# Altium PCB Heart-by-LED.PcbDoc (continued)
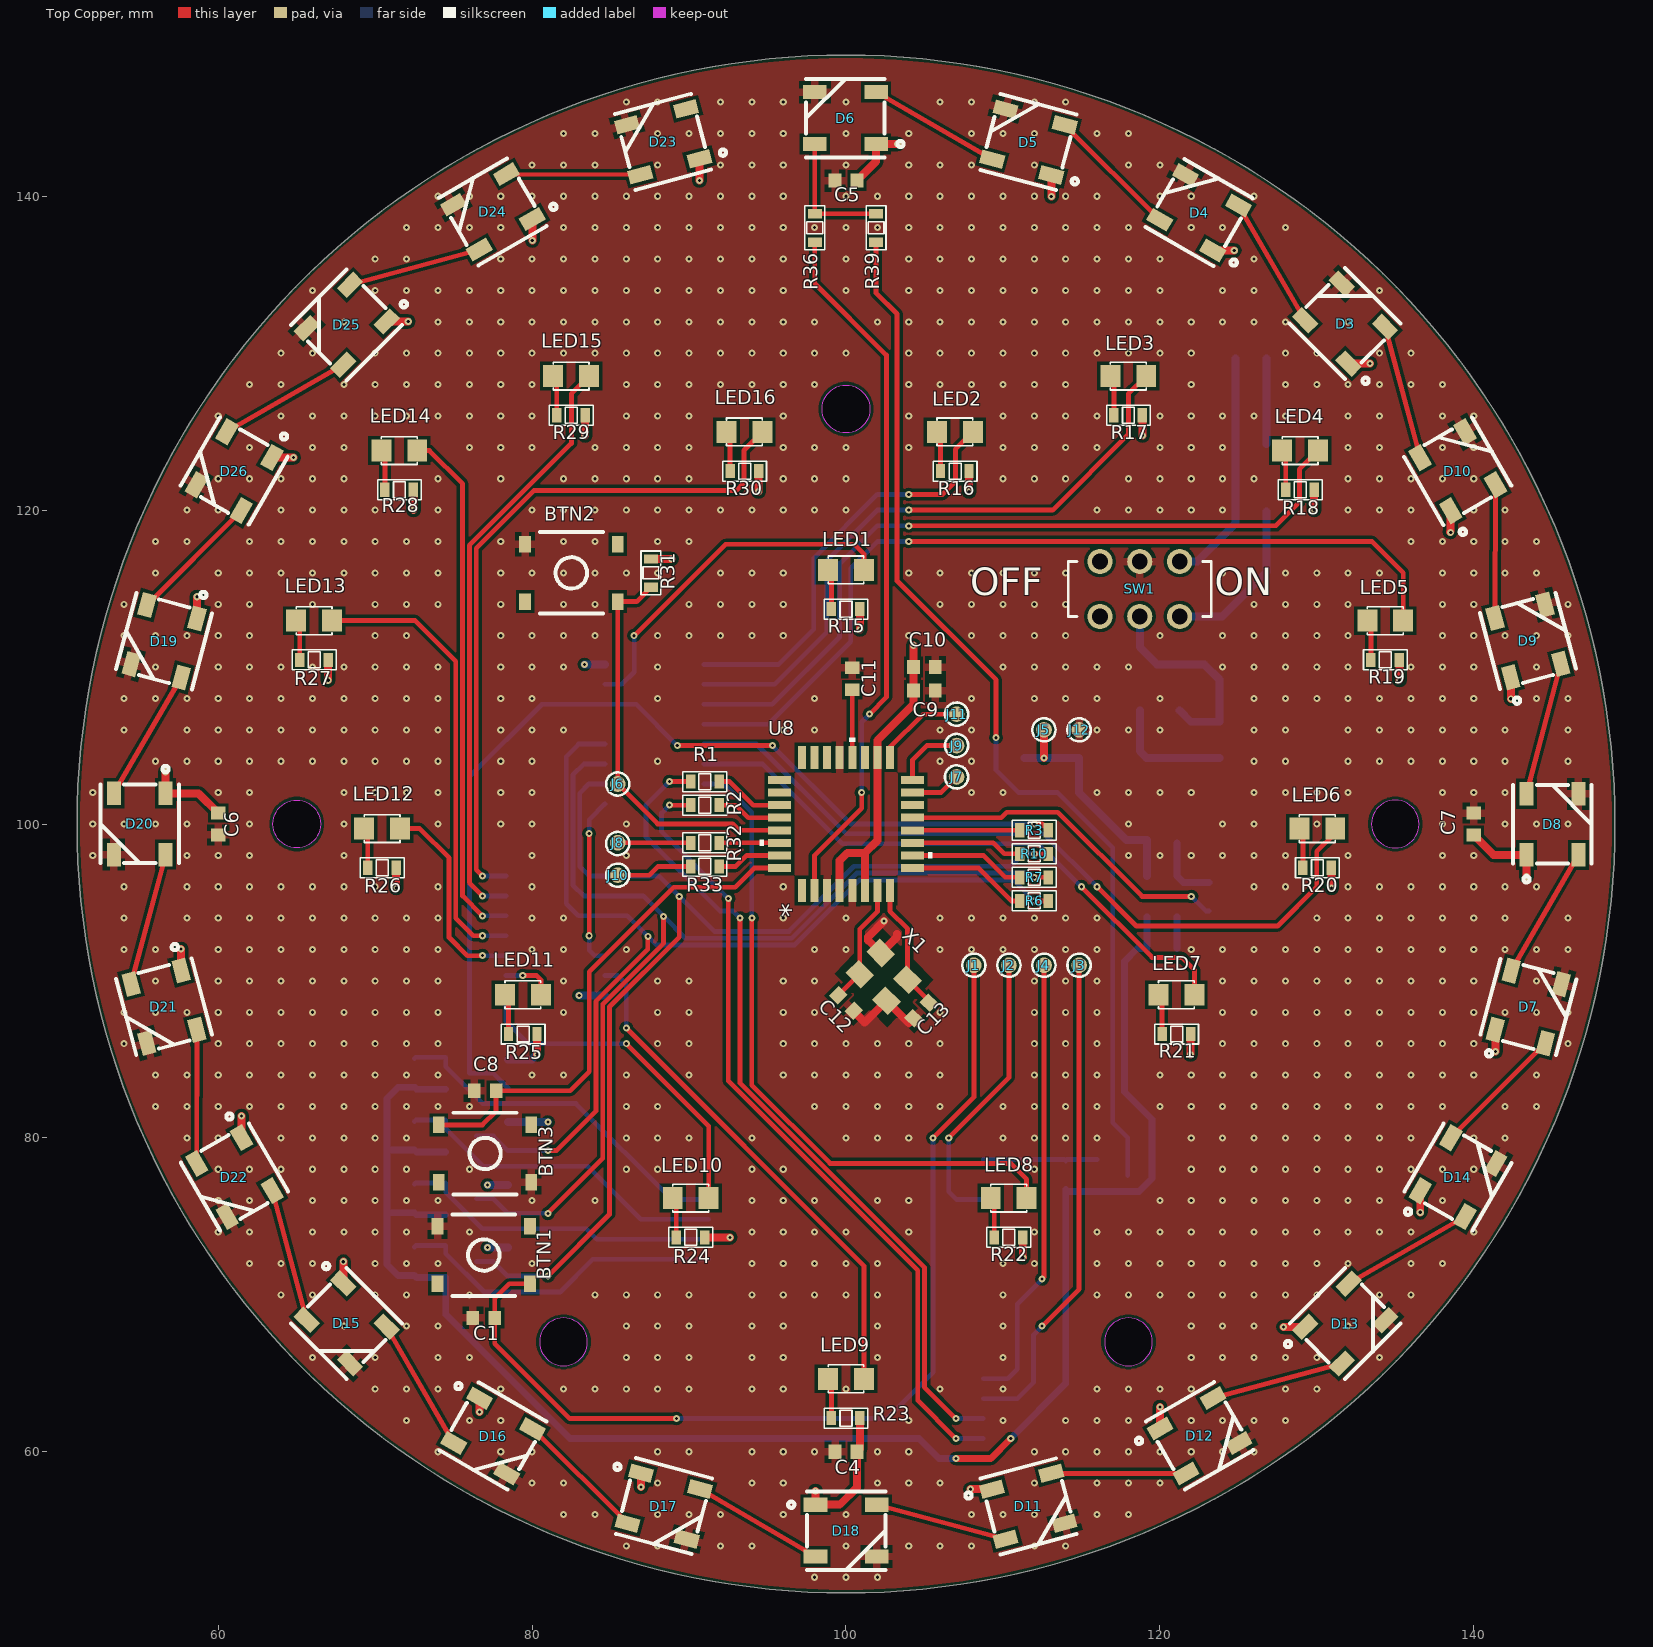
[diagram p0: Top Copper view]
## Components (designator, comment, footprint, x,y, rotation, side; value= is the part's Value field where it differs from the comment)
BTN1 "Button" TactileButton_4x4 76.921,72.53 r180 top
BTN2 "Button" TactileButton_4x4 82.5,116 r180 top
BTN3 "Button" TactileButton_4x4 77,79 r0 top
C1 "Cap Semi" 1608[0603] 76.921,68.53 r0 top value=100nF
C2 "Cap Semi" 1608[0603] 84.5,60.14 r90 bottom value=100nF
C3 "Cap Semi" 1608[0603] 86,60.14 r90 bottom value=1uF
C4 "Cap Semi" 1608[0603] 100,60 r180 top value=100nF
C5 "Cap Semi" 1608[0603] 100,141 r180 top value=100nF
C6 "Cap Semi" 1608[0603] 60,100 r270 top value=1uF
C7 "Cap Semi" 1608[0603] 140,100 r90 top value=1uF
C8 "Cap Semi" 1608[0603] 77,83 r0 top value=100nF
C9 "Cap Semi" 1608[0603] 105,108.5 r180 top value=100nF
C10 "Cap Semi" 1608[0603] 105,110 r180 top value=1uF
C11 "Cap Semi" 1608[0603] 100.4,109.25 r270 top value=100nF
C12 "Cap Semi" 1608[0603] 99.996,88.596 r135 top locked value=22pF
C13 "Cap Semi" 1608[0603] 104.796,88.109 r45 top locked value=22pF
C14 "Cap Semi" 1608[0603] 121.261,107.924 r270 bottom value=1uF
C15 "Cap Semi" 1608[0603] 118.721,107.924 r270 bottom value=100nF
C16 "Cap Semi" 1608[0603] 119.185,99.686 r270 bottom value=1uF
C17 "Cap Semi" 1608[0603] 121.085,91.36 r90 bottom value=22pF
C18 "Cap Semi" 1608[0603] 119.185,91.36 r90 bottom value=100nF
D1 "Diode Schottky" DO-214AC 126.808,122.068 r90 bottom value="SS54 SMA"
D2 "Diode Schottky" DO-214AC 117,104.216 r0 bottom value="SS54 SMA"
D3 "RGB LED" WS2812B 131.803,131.886 r135 top locked value=WS2812B
D4 "RGB LED" WS2812B 122.498,138.957 r150 top locked value=WS2812B
D5 "RGB LED" WS2812B 111.626,143.451 r165 top locked value=WS2812B
D6 "RGB LED" WS2812B 99.965,144.987 r180 top locked value=WS2812B
D7 "RGB LED" WS2812B 143.479,88.34 r75 top locked value=WS2812B
D8 "RGB LED" WS2812B 145.016,99.976 r90 top locked value=WS2812B
D9 "RGB LED" WS2812B 143.452,111.666 r105 top locked value=WS2812B
D10 "RGB LED" WS2812B 138.985,122.476 r120 top locked value=WS2812B
D11 "RGB LED" WS2812B 111.619,56.522 r15 top locked value=WS2812B
D12 "RGB LED" WS2812B 122.529,61.017 r30 top locked value=WS2812B
D13 "RGB LED" WS2812B 131.812,68.166 r45 top locked value=WS2812B
D14 "RGB LED" WS2812B 138.996,77.498 r60 top locked value=WS2812B
D15 "RGB LED" WS2812B 68.18,68.184 r315 top locked value=WS2812B
D16 "RGB LED" WS2812B 77.512,61.001 r330 top locked value=WS2812B
D17 "RGB LED" WS2812B 88.39,56.538 r345 top locked value=WS2812B
D18 "RGB LED" WS2812B 100.006,54.973 r0 top locked value=WS2812B
D19 "RGB LED" WS2812B 56.549,111.645 r255 top locked value=WS2812B
D20 "RGB LED" WS2812B 54.994,100.002 r270 top locked value=WS2812B
D21 "RGB LED" WS2812B 56.541,88.353 r285 top locked value=WS2812B
D22 "RGB LED" WS2812B 61.031,77.503 r300 top locked value=WS2812B
D23 "RGB LED" WS2812B 88.352,143.469 r195 top locked value=WS2812B
D24 "RGB LED" WS2812B 77.495,139.006 r210 top locked value=WS2812B
D25 "RGB LED" WS2812B 68.18,131.81 r225 top locked value=WS2812B
D26 "RGB LED" WS2812B 61.012,122.489 r240 top locked value=WS2812B
J1 "TestPin" TestPin_1mm#1 108.148,91 r90 top
J2 "TestPin" TestPin_1mm#1 110.382,91 r90 top
J3 "TestPin" TestPin_1mm#1 114.85,91 r90 top
J4 "TestPin" TestPin_1mm#1 112.616,91 r90 top
J5 "TestPin" TestPin_1mm#1 112.616,106 r90 top
J6 "TestPin" TestPin_1mm#1 85.45,102.55 r90 top
J7 "TestPin" TestPin_1mm#1 107.047,103 r90 top
J8 "TestPin" TestPin_1mm#2 85.45,98.754 r90 top
J9 "TestPin" TestPin_1mm#1 107.047,105 r0 top
J10 "TestPin" TestPin_1mm#1 85.45,96.74 r90 top
J11 "TestPin" TestPin_1mm#1 107.047,107 r0 top
J12 "TestPin" TestPin_1mm#1 114.85,106 r90 top
J13 "PH2.0 Female" "PH2.0 FEMALE" 125.808,132.534 r180 bottom locked
LED1 "LED" LED-0805-Red 98.857,116.191 r0 top locked value="LED 3 - 5 ly 2 Colour"
LED2 "LED" LED-0805-Red 105.798,124.984 r0 top locked value="LED 3 - 5 ly 2 Colour"
LED3 "LED" LED-0805-Red 116.847,128.545 r0 top locked value="LED 3 - 5 ly 2 Colour"
LED4 "LED" LED-0805-Red 127.79,123.798 r0 top locked value="LED 3 - 5 ly 2 Colour"
LED5 "LED" LED-0805-Red 133.221,112.959 r0 top locked value="LED 3 - 5 ly 2 Colour"
LED6 "LED" LED-0805-Red 128.889,99.711 r0 top locked value="LED 3 - 5 ly 2 Colour"
LED7 "LED" LED-0805-Red 119.914,89.117 r0 top locked value="LED 3 - 5 ly 2 Colour"
LED8 "LED" LED-0805-Red 109.222,76.162 r0 top locked value="LED 3 - 5 ly 2 Colour"
LED9 "LED" LED-0805-Red 98.857,64.643 r0 top locked value="LED 3 - 5 ly 2 Colour"
LED10 "LED" LED-0805-Red 88.962,76.162 r0 top locked value="LED 3 - 5 ly 2 Colour"
LED11 "LED" LED-0805-Red 78.27,89.117 r0 top locked value="LED 3 - 5 ly 2 Colour"
LED12 "LED" LED-0805-Red 69.295,99.711 r0 top locked value="LED 3 - 5 ly 2 Colour"
LED13 "LED" LED-0805-Red 64.963,112.959 r0 top locked value="LED 3 - 5 ly 2 Colour"
LED14 "LED" LED-0805-Red 70.394,123.798 r0 top locked value="LED 3 - 5 ly 2 Colour"
LED15 "LED" LED-0805-Red 81.337,128.545 r0 top locked value="LED 3 - 5 ly 2 Colour"
LED16 "LED" LED-0805-Red 92.386,124.984 r0 top locked value="LED 3 - 5 ly 2 Colour"
R1 "Res" RES-SMD-0603 91,102.7 r0 top value=0R
R2 "Res" RES-SMD-0603 91,101.2 r0 top value=0R
R3 "Res" RES-SMD-0603 112,99.6 r180 top value=0R
R4 "Res" RES-SMD-0603 78.457,84.116 r270 bottom locked value=10k
R5 "Res" RES-SMD-0603 72.501,84.116 r90 bottom locked value=10k
R6 "Res" RES-SMD-0603 112,95.1 r180 top value=0R
R7 "Res" RES-SMD-0603 112,96.6 r180 top value=0R
R8 "Res" RES-SMD-0603 78.457,80.116 r270 bottom locked value=10k
R9 "Res" RES-SMD-0603 72.501,80.116 r90 bottom locked value=10k
R10 "Res" RES-SMD-0603 112,98.1 r180 top value=0R
R11 "Res" RES-SMD-0603 78.457,76.116 r270 bottom locked value=10k
R12 "Res" RES-SMD-0603 72.501,76.116 r90 bottom locked value=10k
R13 "Res" RES-SMD-0603 78.457,72.116 r270 bottom locked value=10k
R14 "Res" RES-SMD-0603 72.501,72.116 r90 bottom locked value=10k
R15 "Res" RES-SMD-0603 100,113.691 r180 top locked value=10k
R16 "Res" RES-SMD-0603 106.95,122.484 r180 top locked value=10k
R17 "Res" RES-SMD-0603 118,126.045 r180 top locked value=10k
R18 "Res" RES-SMD-0603 128.943,121.298 r180 top locked value=10k
R19 "Res" RES-SMD-0603 134.373,110.459 r180 top locked value=10k
R20 "Res" RES-SMD-0603 130.042,97.211 r180 top locked value=10k
R21 "Res" RES-SMD-0603 121.067,86.617 r180 top locked value=10k
R22 "Res" RES-SMD-0603 110.375,73.662 r180 top locked value=10k
R23 "Res" RES-SMD-0603 100,62.143 r180 top locked value=10k
R24 "Res" RES-SMD-0603 90.115,73.662 r180 top locked value=10k
R25 "Res" RES-SMD-0603 79.423,86.617 r180 top locked value=10k
R26 "Res" RES-SMD-0603 70.447,97.211 r180 top locked value=10k
R27 "Res" RES-SMD-0603 66.116,110.459 r180 top locked value=10k
R28 "Res" RES-SMD-0603 71.547,121.298 r180 top locked value=10k
R29 "Res" RES-SMD-0603 82.489,126.045 r180 top locked value=10k
R30 "Res" RES-SMD-0603 93.538,122.484 r180 top locked value=10k
R31 "Res" RES-SMD-0603 87.57,116 r270 top value=10k
R32 "Res" RES-SMD-0603 91,98.8 r0 top value=1k
R33 "Res" RES-SMD-0603 91,97.3 r0 top value=1k
R34 "Res" RES-SMD-0603 123.149,95.384 r270 bottom value=0R
R35 "Res" RES-SMD-0603 121.085,99.686 r90 bottom value=100k
R36 "Res" RES-SMD-0603 98.015,138 r270 top value=0R
R37 "Res" RES-SMD-0603 110.487,104.216 r180 bottom value=10k
R38 "Res" RES-SMD-0603 114,77.604 r90 bottom value=10k
R39 "Res" RES-SMD-0603 101.915,138 r270 top value=0R
SW1 "Switch" MSS-22D18 118.721,114.975 r180 top
U1 "ESP32 Module" ESP32-WROVER-IB 100,71 r0 bottom locked value=ESP32-WROVER-IB
U2 "Shift Register" SO16 87.786,105.724 r270 bottom value=74HC595D
U3 "BSS138LT1G" SOT23-3_ONS 75.479,84.116 r90 bottom locked
U4 "BSS138LT1G" SOT23-3_ONS 75.479,80.116 r90 bottom locked
U5 "Shift Register" SO16 81.485,93.514 r90 bottom value=74HC595D
U6 "BSS138LT1G" SOT23-3_ONS 75.479,76.116 r90 bottom locked
U7 "BSS138LT1G" SOT23-3_ONS 75.479,72.116 r90 bottom locked
U8 "ATMEGA328P-AU" 32A_ATM 100,100 r90 top locked
U9 "lm1117mpx-5_0" LM1117 127,104.216 r0 bottom value=Value
U10 "LDO 3.3V" SOT-23-5 120.135,95.384 r0 bottom
U11 "BSS138LT1G" SOT23-3_ONS 116.978,77.604 r90 bottom locked
X1 "Crystal" SMD-3225-4P 102.4,90.259 r315 top locked value=16MHz

## Footprints (in the part's own frame and the unit in brackets; to place one, negate y for a bottom-side part, rotate by r counter-clockwise, add the part's x,y. Pads: shape width x height; smd on the part's side, far side on the other; paste and mask are expansions set on the pad)
32A_ATM [mil]
  rect 58x20 smd paste+0 mask+0: 1(-167,110.24) 2(-167,78.74) 3(-167,47.24) 4(-167,15.75) 5(-167,-15.75) 6(-167,-47.24) 7(-167,-78.74) 8(-167,-110.24) 17(167,-110.24) 18(167,-78.74) 19(167,-47.24) 20(167,-15.75) 21(167,15.75) 22(167,47.24) 23(167,78.74) 24(167,110.24)
  rect 20x58 smd paste+0 mask+0: 9(-110.24,-167) 10(-78.74,-167) 11(-47.24,-167) 12(-15.75,-167) 13(15.75,-167) 14(47.24,-167) 15(78.74,-167) 16(110.24,-167) 25(110.24,167) 26(78.74,167) 27(47.24,167) 28(15.75,167) 29(-15.75,167) 30(-47.24,167) 31(-78.74,167) 32(-110.24,167)
  silkscreen extent -86,-216 216,216, body extent -182,-182 182,182, height 47
1608[0603] [mm] "Chip Capacitor, Body 1.6x0.8mm, IPC High Density"
  rect 0.8x0.9 smd: 1(-0.7,0) 2(0.7,0)
  body extent -0.87,-0.48 0.87,0.48, height 1.3
DO-214AC [mm]
  rect 2.65x1.75 smd: 1(-2.15,0) 2(2.15,0)
  silkscreen extent -4.5,-1 -4.5,1, body extent -2.6,-1.3 2.6,1.3, height 2.4
ESP32-WROVER-IB [mm] "Multiprotocol Modules SMD Module M213DH3264UH3Q0, ESP32-D0WD, 64Mbits PSRAM, 4 MB SPI flash, IPEX Antenna connector"
  rect 1.5x0.9 smd: 1(-8.75,11.43) 2(-8.75,10.16) 3(-8.75,8.89) 4(-8.75,7.62) 5(-8.75,6.35) 6(-8.75,5.08) 7(-8.75,3.81) 8(-8.75,2.54) 9(-8.75,1.27) 10(-8.75,0) 11(-8.75,-1.27) 12(-8.75,-2.54) 13(-8.75,-3.81) 14(-8.75,-5.08) 15(-8.75,-6.35) 16(-8.75,-7.62) 17(-8.75,-8.89) 18(-8.75,-10.16) 19(-8.75,-11.43) 20(8.75,-11.43) 21(8.75,-10.16) 22(8.75,-8.89) 23(8.75,-7.62) 24(8.75,-6.35) 25(8.75,-5.08) 26(8.75,-3.81) 27(8.75,-2.54) 28(8.75,-1.27) 29(8.75,0) 30(8.75,1.27) 31(8.75,2.54) 32(8.75,3.81) 33(8.75,5.08) 34(8.75,6.35) 35(8.75,7.62) 36(8.75,8.89) 37(8.75,10.16) 38(8.75,11.43)
  rect 3.7x3.7 smd: 39(-1.5,3.63)
  silkscreen extent -9,-12.53 9,18.87
LED-0805-Red [mil]
  rect 50x55 smd: 1(0,0) 2(90,0)
  silkscreen extent 0,-35 90,35, body extent 5,-25 85,25, height 43
LM1117 [mil]
  rect 62.56x33.36 smd paste+0 mask+0: 1(-126,90.55) 2(-126,0) 3(-126,-90.55)
  rect 62.56x120.43 smd paste+0 mask+0: 4(126,0)
  silkscreen extent -78,-137 78,137, body extent -144,-132 144,132, height 71
MSS-22D18 [mm]
  round 1.6 hole 1: 1(-2.54,1.75) 2(0,1.75) 3(2.54,1.75) 4(-2.54,-1.75) 5(0,-1.75) 6(2.54,-1.75)
  silkscreen extent -4.55,-1.75 4.55,1.75
"PH2.0 FEMALE" [mm]
  rect 1x3.5 smd: 1(1,-2.876) 2(-1,-2.876)
  rect 1.8x3.6 smd: 3(-3.4,2.876) 4(3.4,2.876)
  silkscreen extent -4,-2.88 4,4.5
RES-SMD-0603 [mm]
  rect 0.6x0.9 smd: 1(-0.889,0) 2(0.927,0)
  silkscreen extent -1.4,-0.64 1.4,0.64, body extent -0.8,-0.4 0.8,0.4, height 0.43
SMD-3225-4P [mm]
  rect 1.4x1.2 smd: 1(-1.2,-0.95) 2(1.2,-0.95) 3(1.2,0.95) 4(-1.2,0.95)
  body extent -1.6,-1.25 1.6,1.25, height 0.81
SO16 [mm]
  rect 0.8x1.2 smd: 1(-4.445,-3.15) 2(-3.175,-3.15) 3(-1.905,-3.15) 4(-0.635,-3.15) 5(0.635,-3.15) 6(1.905,-3.15) 7(3.175,-3.15) 8(4.445,-3.15) 9(4.445,3.15) 10(3.175,3.15) 11(1.905,3.15) 12(0.635,3.15) 13(-0.635,3.15) 14(-1.905,3.15) 15(-3.175,3.15) 16(-4.445,3.15)
  silkscreen extent -5,-2 5,2, body extent -4.98,-3.07 4.98,3.07, height 1.73
SOT23-3_ONS [mil]
  rect 22x55 smd paste+0 mask+0: 1(-40,-38.5) 2(40,-38.5) 3(0,38.5)
  silkscreen extent -115,-57 65,33, body extent -60,-52 60,52, height 44
SOT-23-5 [mm]
  rect 0.7x1 smd: 1(-0.95,-1.3) 2(0,-1.3) 3(0.95,-1.3) 4(0.95,1.3) 5(-0.95,1.3)
  silkscreen extent -1.35,-0.5 1.35,0.5, body extent -1.5,-1.25 1.5,1.25, height 1.05
TactileButton_4x4 [mm] "Tactile Button 4mm x 4mm H=1.5mm SMD 4-Pin"
  rect 0.75x1.05 smd: 1(-2.95,1.825) 2(-2.95,-1.825) 3(2.95,-1.825) 4(2.95,1.825)
  silkscreen extent -2,-2.6 2,2.6
TestPin_1mm#1 [mm]
  round 1 smd: 1(0,0)
  silkscreen extent -0.74,-0.74 0.74,0.74
TestPin_1mm#2 [mm]
  round 1 smd: 1(0.046,0)
  silkscreen extent -0.74,-0.74 0.74,0.74
WS2812B [mm] "RGB 620~630nm Red, 515~530nm Green, 465~475nm Blue SMD,5x5mm Light Emitting Diodes (LED) ROHS"
  rect 1.5x0.9 smd: 1(-1.95,1.65) 2(-1.95,-1.65) 3(1.95,-1.65) 4(1.95,1.65)
  silkscreen extent -3.7,-2.5 2.5,2.5

## Part data
BTN1 BTN2 BTN3: library part Tactile_4x4
C1 C2 C3 C4 C5 C6 C7 C8 C9 C10 C11 C12 C13 C14 C15 C16 C17 C18: "Capacitor (Semiconductor SIM Model)", LatestRevisionDate=29-May-2009, LatestRevisionNote="IPC-7351 Footprint Added.", PackageDescription="Chip Capacitor", PackageReference=C1206, Published=8-Jun-2000, Publisher="Altium Limited"
D1 D2: library part "SS54 SMA", "Diode Shotky SS54 5A 40V"
D3 D4 D5 D6 D7 D8 D9 D10 D11 D12 D13 D14 D15 D16 D17 D18 D19 D20 D21 D22 D23 D24 D25 D26: library part WS2812B, "RGB 620~630nm Red, 515~530nm Green, 465~475nm Blue SMD,5x5mm Light Emitting Diodes (LED) ROHS", Manufacturer=Worldsemi
J1 J2 J3 J4 J5 J6 J7 J8 J9 J10 J11 J12: library part TestPin_1mm, "Test conntact for pogo pins"
J13: library part PH2.0, "2 Header PH 0.079\"(2.00mm) Male Pin SMD,P=2mm Wire To Board / Wire To Wire Connector ROHS"
LED1 LED2 LED3 LED4 LED5 LED6 LED7 LED8 LED9 LED10 LED11 LED12 LED13 LED14 LED15 LED16: library part "LED SMD"
R1 R2 R3 R4 R5 R6 R7 R8 R9 R10 R11 R12 R13 R14 R15 R16 R17 R18 R19 R20 R21 R22 R23 R24 R25 R26 R27 R28 R29 R30 R31 R32 R33 R34 R35 R36 R37 R38 R39: library part Res-SMD, "Resistor", Manufacturer="Generic Components", Class=Passive, Published=08/06/2000, Publisher="Altium Hobart Technology Centre"
SW1: library part MSS-22D18, "Plugin,9.1x3.5mm Slide Switches ROHS"
U1: library part ESP32-WROVER-IB, "Multiprotocol Modules SMD Module M213DH3264UH3Q0, ESP32-D0WD, 64Mbits PSRAM, 4 MB SPI flash, IPEX Antenna connector", Manufacturer="Espressif Systems"
U2 U5: library part 74HC595, "74HC Shift Register SOIC-16_150mil Registers ROHS"
U3 U4 U6 U7 U8 U9 U11: "No Description Available", Copyright="Copyright (C) 2018 Accelerated Designs. All rights reserved", RefDes=RefDes, Type=DEV
  U3 U4 U6 U7 U11: Built_By=EMA_Jessica, Manufacturer_Part_Number=BSS138LT1G, SourceLibrary=ON_Semiconductor_2019-12-30, Vendor="ON Semiconductor"
  U8: Built_By=EMA_UL_Team, Manufacturer_Part_Number=ATMEGA328P-AU, SourceLibrary=Atmel_2011-04-02, Vendor=Atmel
  U9: Built_By=EMA_UL_Team, Manufacturer_Part_Number=lm1117mpx-5_0, Vendor="Texas Instruments"
U10: library part RT9193-33GB, "300mA Fixed 3.3V SOT-23-5 Linear Voltage Regulators (LDO) ROHS"
X1: library part "Crystal 3225", "16MHz ±25ppm SMD3225-4P Oscillators ROHS"

## Via types
v1: diameter 0.45, hole 0.2, Top Copper to Bottom Copper, tented both sides, 1218 vias

## Nets (pads, with @x,y where several pads share a name; then routed paths per layer and width w, separated by ;. In a path a pad name is that pad's centre, name@x,y a point inside that pad or via, vN(x,y) a via of type N, cw(c..) or ccw(c..) an arc to the next point about the centre after c; other vN are vias at no path point)
+3.3: C2.2 C3.2 C18.2 R5.1 R9.1 R12.1 R14.1 R38.1 U1.2 U3.1 U4.1 U6.1 U7.1 U10.5 U11.1 | length 110.6
  Top Copper w0.432: v1(107,59.57) 109.23,59.57 v1(110.5,60.84)
  Bottom Copper w0.432: U6.1 72.628,75.1 R12.1 70.773,75.227 70.75,75.25 ; U4.1 72.628,79.1 R9.1 70.773,79.227 70.75,79.25 ; U3.1 72.628,83.1 R5.1 71.477,83.227 70.75,82.5 70.75,79.25 ; v1(107,59.57) 105.93,59.57 104.66,60.84 U1.2 C3.2 C2.2 82.41,60.84 74.501,68.749 U7.1 72.628,71.1 R14.1 71.463,71.227 70.75,71.94 70.75,75.25 ; v1(110.5,60.84) 114,64.34 R38.1 114.127,76.588 U11.1 118.669,76.588 119.5,77.419 119.5,81.187 117.75,82.937 117.75,91.25 118.56,92.06 C18.2 U10.5 ; 70.75,75.25 70.75,79.25
+5: C4.1 C5.1 C6.1 C7.1 C9.2 C10.2 C16.2 D2.1 D3.1 D4.1 D5.1 D6.1 D7.1 D8.1 D9.1 D10.1 D11.1 D12.1 D13.1 D14.1 D15.1 D16.1 D17.1 D18.1 D19.1 D20.1 D21.1 D22.1 D23.1 D24.1 D25.1 D26.1 J5.1 R4.1 R8.1 R11.1 R13.1 R15.1 R16.1 R17.1 R18.1 R19.1 R20.1 R21.1 R22.1 R23.1 R24.1 R25.1 R26.1 R27.1 R28.1 R29.1 R30.1 R31.1 R37.1 U2.16 U5.16 U8.4 U8.6 U8.18 U10.1 | length 116.9
  Top Copper w0.508: D20.1 58.748,101.952 C6.1 ; D20.1 v1(56.643,103.33) ; D21.1 v1(57.63,92.041) ; D19.1 v1(58.648,114.479) ; D22.1 v1(61.485,81.395) ; D26.1 v1(64.794,123.353) ; v1(67.005,109.161) R27.1 ; D15.1 v1(67.968,72.108) ; D25.1 v1(72.104,132.022) ; v1(71.337,95.913) R26.1 ; v1(72.436,120) R28.1 ; v1@76.648,62.528 D16.1 ; v1(80.009,137.175) D24.1 ; v1(80.312,85.319) R25.1 ; v1(83.379,124.747) R29.1 ; v1(86.934,57.759) D17.1 ; R31.1 v1@88.868,116.889 ; v1(90.662,141.002) D23.1 ; R24.1 v1(92.612,73.662) ; v1(94.428,121.186) R30.1 ; v1(98.056,57.5) D18.1 99.6,56.623 100.7,57.723 C4.1 100.889,60.189 R23.1 ; U8.4 99.6,97.672 100.085,98.157 101.2,98.157 ; C5.1 101.915,142.215 D6.1 v1(103.293,143.337) ; v1(100.889,112.393) R15.1 ; U8.6 101.2,98.157 ; v1(104.3,111.378) C10.2 C9.2 104.3,107.634 102,105.334 U8.18 102,98.957 101.2,98.157 ; v1(107.84,121.186) R16.1 ; v1(107.93,57.611) D11.1@109.308,57.611 ; v1(111.264,72.364) R22.1 ; v1(112.616,104.216) J5.1 ; v1(113.083,139.975) D5.1 ; v1(118.889,124.747) R17.1 ; D12.1 v1(120.015,62.849) ; v1(121.956,85.319) R21.1 ; D4.1 v1(124.74,136.554) ; v1(127.889,67.953) D13.1 ; v1(129.832,120) R18.1 ; v1(130.931,95.913) R20.1 ; D3.1 v1(133.393,129.34) ; v1(135.263,109.161) R19.1 ; v1(136.593,75.256) D14.1 ; v1@138.496,118.62 138.532,118.656 D10.1 ; C7.1 141.274,98.026 D8.1 v1(143.366,96.648) ; v1@141.381,85.506 D7.1 ; v1(142.363,107.977) D9.1
  Bottom Copper w0.508: v1(77.159,73.005) R13.1@78.457,73.005 ; v1(77.159,77.005) R11.1@78.457,77.005 ; R8.1 v1(81,81.006) ; R4.1 79.999,85.006 v1(80.312,85.319) ; v1(83,89.069) U5.16@84.635,89.069 ; v1(83.338,110.168) U2.16@84.636,110.168 ; R37.1 v1(112.616,104.216) D2.1 114.85,101.997 117.861,98.986 C16.2 U10.1
  other v1: 76.648,62.528 141.381,85.505 88.868,116.889 138.532,118.585
AD0: U8.23
AD1: U8.24
AD2: U8.25
AD3: U8.26
AD4: R1.2 U8.27 | length 4.5
  Top Copper w0.305: R1.2 92.592,102.7 94.092,101.2 U8.27
AD5: R2.2 U8.28 | length 4.2
  Top Copper w0.305: R2.2 92.978,101.2 93.778,100.4 U8.28
AD6: U8.19
AD7: U8.22
ESP_BOOT: J2.1 U1.25 | length 18.3
  Top Copper w0.305: v1(106.547,80) 110.382,83.835 J2.1@110.382,90.918
  Bottom Copper w0.305: v1(106.547,80) 106.547,76.569 107.036,76.08 U1.25
ESP_EN: BTN1.1 C1.2 J1.1 U1.3 | length 63.7
  Top Copper w0.305: BTN1.1@79.89,70.686 BTN1.1 78.538,70.705 77.621,69.788 C1.2 77.621,66.879 82.39,62.11 v1(89.188,62.11) ; v1(105.547,80) 108.148,82.601 J1.1
  Bottom Copper w0.305: v1(89.188,62.11) U1.3 102.582,62.11 105.547,65.075 v1(105.547,80)
ESP_IO12: R5.2 U1.14 U3.2 | length 22.9
  Bottom Copper w0.305: R5.2 72.59,85.132 U3.2 74.501,84.534 76.848,82.187 82.79,82.187 88.897,76.08 U1.14
ESP_IO14: R9.2 U1.13 U4.2 | length 21.7
  Bottom Copper w0.305: R9.2 72.59,81.132 U4.2 74.501,80.584 76.896,78.189 83.537,78.189 86.916,74.81 U1.13
ESP_IO15: R38.2 U1.23 U11.2 | length 7.3
  Bottom Copper w0.305: U1.23 113.911,78.62 R38.2 114.089,78.62 U11.2
ESP_IO22: R1.1 U1.36 | length 53
  Top Copper w0.305: v1(88.75,102.7) R1.1 ; v1(93.25,94) 93.25,83.491 105,71.741 105,64.11 v1(107,62.11)
  Bottom Copper w0.305: v1(88.75,102.7) 87.25,101.2 87.25,99.176 91.969,94.457 92.793,94.457 v1(93.25,94) ; v1(107,62.11) U1.36
ESP_IO23: R2.1 U1.37 | length 51.4
  Top Copper w0.305: v1(88.75,101.2) R2.1 ; v1(92.5,95.25) 92.5,83.631 104.568,71.563 104.568,63.272 v1(107,60.84)
  Bottom Copper w0.305: v1(88.75,101.2) 88.25,100.7 88.25,99.5 v1(92.5,95.25) ; v1(107,60.84) U1.37
ESP_IO26: R14.2 U1.11 U7.2 | length 21.2
  Bottom Copper w0.305: R14.2 72.59,73.132 U7.2 74.501,72.621 76.944,70.178 81.78,70.178 83.872,72.27 U1.11
ESP_IO27: R12.2 U1.12 U6.2 | length 20.6
  Bottom Copper w0.305: R12.2 72.59,77.132 U6.2 74.501,76.538 76.832,74.207 83.459,74.207 84.126,73.54 U1.12
ESP_LED_CTRL: R37.2 R39.2 U11.3 | length 67.6
  Top Copper w0.305: R39.2 101.915,133.835 103.25,132.5 103.25,115.492 109.56,109.182 v1(109.56,105.5)
  Bottom Copper w0.305: v1(109.56,105.5) R37.2 109.56,103.44 111,102 113.5,102 117,98.5 117,80.978 117.956,80.022 U11.3
ESP_RXD: J4.1 U1.34 | length 28.9
  Top Copper w0.305: v1(112.5,71) 112.616,71.116 J4.1
  Bottom Copper w0.305: U1.34 110.301,64.65 110.912,65.261 110.912,69.412 v1(112.5,71)
ESP_TXD: J3.1 U1.35 | length 31.4
  Top Copper w0.305: v1(112.5,68) 114.85,70.35 J3.1
  Bottom Copper w0.305: U1.35 110.908,63.38 111.954,64.426 111.954,67.454 v1(112.5,68)
GND: BTN1.3 BTN2.3 BTN3.3 C1.1 C2.1 C3.1 C4.2 C5.2 C6.2 C7.2 C8.1 C9.1 C10.1 C11.1 C12.1 C13.1 C14.1 C15.1 C16.1 C17.1 C18.1 D3.3 D4.3 D5.3 D6.3 D7.3 D8.3 D9.3 D10.3 D11.3 D12.3 D13.3 D14.3 D15.3 D16.3 D17.3 D18.3 D19.3 D20.3 D21.3 D22.3 D23.3 D24.3 D25.3 D26.3 J12.1 J13.3 J13.4 R35.2 SW1.5 U1.1 U1.15 U1.38 U1.39 U2.8 U2.13 U5.8 U5.13 U8.3 U8.5 U8.21 U9.1 U9.4 U10.2 X1.2 X1.4 | length 9.9
  Top Copper w0.508: C12.1 100.491,88.057 101.194,87.355 X1.2 104.001,87.314 C13.1 ; v1(102.428,93.817) 101.413,92.802 101.413,92.589 X1.4 103.251,92.807 103.251,92.993
  other v1: 98,52 100,52 102,52 86,54 88,54 92,54 94,54 100,54 104,54 106,54 108,54 112,54 114,54 82,56 84,56 88,56 90,56 92,56 96,56 100,56 108,56 110,56 112,56 116,56 118,56 80,58 82,58 88,58 94,58 96,58 102,58 104,58 106,58 112,58 116,58 118,58 120,58 74,60 78,60 80,60 88,60 90,60 94,60 96,60 98,60 102,60 104,60 112,60 114,60 116,60 118,60 120,60 122,60 124,60 126,60 72,62 76,62 78,62 104,62 110,62 114,62 116,62 118,62 122,62 124,62 126,62 128,62 70,64 72,64 74,64 78,64 82,64 84,64 86,64 88,64 90,64 94,64 96,64 100,64 106,64 110,64 116,64 118,64 120,64 122,64 128,64 130,64 66,66 70,66 74,66 76,66 86,66 88,66 90,66 94,66 96,66 102,66 110,66 122,66 124,66 126,66 128,66 130,66 134,66 68,68 72,68 74,68 86,68 88,68 90,68 94,68 96,68 102,68 110,68 122,68 124,68 126,68 132,68 64,70 66,70 70,70 72,70 76,70 84,70 86,70 88,70 90,70 94,70 96,70 98,70 100,70 102,70 110,70 116,70 118,70 120,70 122,70 124,70 126,70 128,70 130,70 134,70 136,70 62,72 64,72 66,72 70,72 72,72 74,72 80,72 94,72 96,72 98,72 100,72 102,72 110,72 112,72 116,72 118,72 120,72 122,72 124,72 126,72 128,72 130,72 132,72 136,72 138,72 60,74 62,74 66,74 68,74 70,74 72,74 76,74 94,74 96,74 98,74 100,74 104,74 112,74 116,74 118,74 120,74 122,74 124,74 126,74 128,74 130,74 132,74 134,74 136,74 140,74 60,76 62,76 66,76 68,76 70,76 72,76 74,76 80,76 84,76 94,76 96,76 98,76 102,76 104,76 120,76 122,76 124,76 126,76 128,76 130,76 132,76 134,76 138,76 60,78 62,78 64,78 66,78 68,78 70,78 72,78 76,78 86,78 88,78 90,78 94,78 96,78 112,78 122,78 124,78 126,78 128,78 130,78 132,78 134,78 136,78 138,78 140,78 58,80 60,80 64,80 66,80 68,80 70,80 72,80 86,80 88,80 90,80 94,80 100,80 102,80 104,80 110,80 112,80 114,80 116,80 122,80 124,80 126,80 128,80 130,80 132,80 134,80 136,80 140,80 142,80 56,82 58,82 60,82 62,82 64,82 66,82 68,82 70,82 72,82 74,82 76,82 86,82 88,82 98,82 100,82 102,82 104,82 106,82 110,82 112,82 114,82 116,82 120,82 122,82 124,82 126,82 128,82 130,82 132,82 134,82 136,82 138,82 142,82 144,82 56,84 58,84 60,84 62,84 64,84 66,84 68,84 70,84 72,84 74,84 80,84 82,84 86,84 90,84 96,84 98,84 100,84 102,84 104,84 106,84 112,84 114,84 116,84 120,84 122,84 124,84 126,84 128,84 130,84 132,84 134,84 136,84 138,84 140,84 144,84 54,86 60,86 62,86 64,86 66,86 68,86 70,86 72,86 74,86 88,86 90,86 96,86 98,86 100,86 102,86 104,86 106,86 112,86 114,86 116,86 124,86 126,86 128,86 130,86 132,86 134,86 136,86 138,86 140,86 146,86 54,88 56,88 58,88 60,88 62,88 64,88 66,88 68,88 70,88 72,88 74,88 82,88 88,88 90,88 96,88 98,88 106,88 112,88 114,88 116,88 124,88 126,88 128,88 130,88 132,88 134,88 136,88 138,88 140,88 142,88 144,88 146,88 56,90 60,90 62,90 64,90 66,90 68,90 70,90 72,90 74,90 82,90 88,90 90,90 96,90 98,90 112,90 114,90 116,90 124,90 126,90 128,90 130,90 132,90 134,90 136,90 138,90 140,90 144,90 54,92 56,92 60,92 62,92 64,92 66,92 68,92 70,92 72,92 74,92 80,92 82,92 86,92 98,92 100,92 106,92 108,92 110,92 112,92 114,92 116,92 122,92 124,92 126,92 128,92 130,92 132,92 134,92 136,92 138,92 140,92 142,92 144,92 146,92 54,94 58,94 60,94 62,94 64,94 66,94 68,94 70,94 72,94 74,94 80,94 82,94 96,94 100,94 106,94 108,94 110,94 112,94 114,94 116,94 130,94 132,94 134,94 136,94 138,94 140,94 142,94 146,94 54,96 58,96 60,96 62,96 64,96 66,96 68,96 70,96 74,96 80,96 96,96 126,96 128,96 132,96 134,96 136,96 138,96 140,96 142,96 144,96 52,98 58,98 60,98 62,98 68,98 80,98 86,98 118,98 120,98 122,98 124,98 126,98 128,98 132,98 138,98 140,98 52,100 54,100 56,100 58,100 62,100 68,100 74,100 78,100 80,100 86,100 118,100 124,100 126,100 130,100 138,100 142,100 144,100 146,100 52,102 60,102 62,102 68,102 70,102 72,102 74,102 78,102 80,102 108,102 110,102 116,102 118,102 120,102 122,102 126,102 128,102 130,102 132,102 138,102 140,102 142,102 56,104 58,104 60,104 62,104 64,104 66,104 68,104 70,104 72,104 74,104 78,104 80,104 88,104 106,104 108,104 126,104 128,104 132,104 134,104 136,104 138,104 140,104 142,104 146,104 54,106 58,106 60,106 62,106 64,106 66,106 68,106 70,106 72,106 74,106 78,106 80,106 82,106 96,106 98,106 106,106 108,106 116,106 118,106 120,106 126,106 128,106 132,106 134,106 136,106 138,106 140,106 142,106 146,106 54,108 56,108 58,108 60,108 62,108 64,108 66,108 68,108 70,108 72,108 74,108 78,108 80,108 88,108 98,108 108,108 112,108 114,108 116,108 120,108 126,108 128,108 130,108 132,108 134,108 136,108 138,108 140,108 144,108 146,108 56,110 60,110 62,110 64,110 66,110 68,110 70,110 72,110 74,110 78,110 80,110 82,110 88,110 110,110 112,110 114,110 116,110 118,110 124,110 126,110 128,110 130,110 132,110 136,110 138,110 140,110 144,110 54,112 56,112 58,112 60,112 62,112 70,112 72,112 78,112 80,112 82,112 84,112 88,112 90,112 92,112 94,112 96,112 104,112 108,112 110,112 112,112 114,112 120,112 124,112 126,112 128,112 130,112 132,112 138,112 140,112 142,112 144,112 146,112 54,114 60,114 62,114 66,114 70,114 72,114 74,114 78,114 82,114 84,114 90,114 92,114 94,114 96,114 106,114 108,114 110,114 112,114 114,114 126,114 128,114 130,114 132,114 138,114 140,114 146,114 56,116 60,116 62,116 64,116 66,116 68,116 70,116 72,116 74,116 78,116 80,116 82,116 84,116 86,116 88,116 92,116 94,116 96,116 104,116 106,116 108,116 110,116 112,116 114,116 124,116 128,116 130,116 132,116 134,116 138,116 140,116 142,116 144,116 56,118 58,118 62,118 64,118 66,118 68,118 70,118 72,118 74,118 78,118 82,118 84,118 88,118 90,118 136,118 138,118 140,118 142,118 144,118 58,120 60,120 64,120 66,120 68,120 70,120 74,120 80,120 82,120 84,120 86,120 88,120 90,120 92,120 94,120 96,120 98,120 100,120 116,120 118,120 120,120 122,120 124,120 132,120 134,120 136,120 140,120 142,120 60,122 62,122 64,122 66,122 68,122 74,122 78,122 82,122 84,122 86,122 88,122 90,122 96,122 98,122 100,122 110,122 112,122 114,122 118,122 120,122 122,122 124,122 126,122 132,122 134,122 136,122 138,122 140,122 62,124 66,124 68,124 76,124 78,124 80,124 84,124 86,124 88,124 90,124 96,124 98,124 100,124 104,124 110,124 112,124 114,124 116,124 120,124 122,124 124,124 132,124 134,124 138,124 140,124 60,126 64,126 66,126 68,126 70,126 72,126 74,126 76,126 78,126 80,126 86,126 88,126 90,126 96,126 104,126 110,126 112,126 114,126 116,126 120,126 122,126 124,126 126,126 128,126 130,126 132,126 134,126 138,126 140,126 62,128 64,128 68,128 70,128 72,128 74,128 76,128 78,128 80,128 86,128 88,128 90,128 92,128 94,128 96,128 98,128 104,128 106,128 108,128 110,128 112,128 114,128 122,128 128,128 130,128 132,128 134,128 136,128 138,128 64,130 66,130 70,130 72,130 74,130 76,130 78,130 80,130 82,130 84,130 86,130 88,130 90,130 92,130 94,130 96,130 98,130 100,130 104,130 106,130 108,130 110,130 112,130 114,130 116,130 118,130 120,130 122,130 128,130 130,130 134,130 136,130 68,132 74,132 76,132 78,132 80,132 82,132 84,132 86,132 88,132 90,132 92,132 94,132 96,132 98,132 102,132 104,132 106,132 108,132 110,132 112,132 114,132 116,132 118,132 120,132 122,132 124,132 126,132 128,132 132,132 66,134 70,134 72,134 74,134 76,134 78,134 80,134 82,134 84,134 86,134 88,134 90,134 92,134 94,134 96,134 100,134 104,134 106,134 108,134 110,134 112,134 114,134 116,134 118,134 120,134 124,134 126,134 134,134 70,136 72,136 78,136 80,136 82,136 84,136 86,136 88,136 90,136 92,136 94,136 96,136 100,136 104,136 106,136 108,136 110,136 112,136 114,136 116,136 118,136 120,136 126,136 72,138 74,138 76,138 78,138 82,138 84,138 86,138 88,138 90,138 92,138 94,138 96,138 98,138 100,138 102,138 104,138 106,138 108,138 110,138 112,138 114,138 116,138 118,138 122,138 124,138 128,138 74,140 76,140 78,140 80,140 82,140 84,140 86,140 88,140 90,140 92,140 94,140 96,140 100,140 102,140 104,140 106,140 108,140 110,140 112,140 114,140 116,140 120,140 122,140 126,140 80,142 82,142 84,142 88,142 92,142 94,142 96,142 100,142 104,142 106,142 108,142 112,142 118,142 120,142 82,144 84,144 88,144 90,144 92,144 94,144 96,144 100,144 104,144 108,144 110,144 112,144 116,144 118,144 86,146 88,146 92,146 94,146 96,146 100,146 106,146 108,146 112,146 114,146